# Altium PCB 智能马桶综合检测台_数据板V1.0.PcbDoc (part 7 of 8)
Units mil, origin at the board's own origin, x right, y up, seen from the top; angles counter-clockwise.
Board outline 5580 x 4007.36 mil, 2 copper layers (Top Layer, Bottom Layer); 109 components, 92 nets, 426 pads, 50 vias.
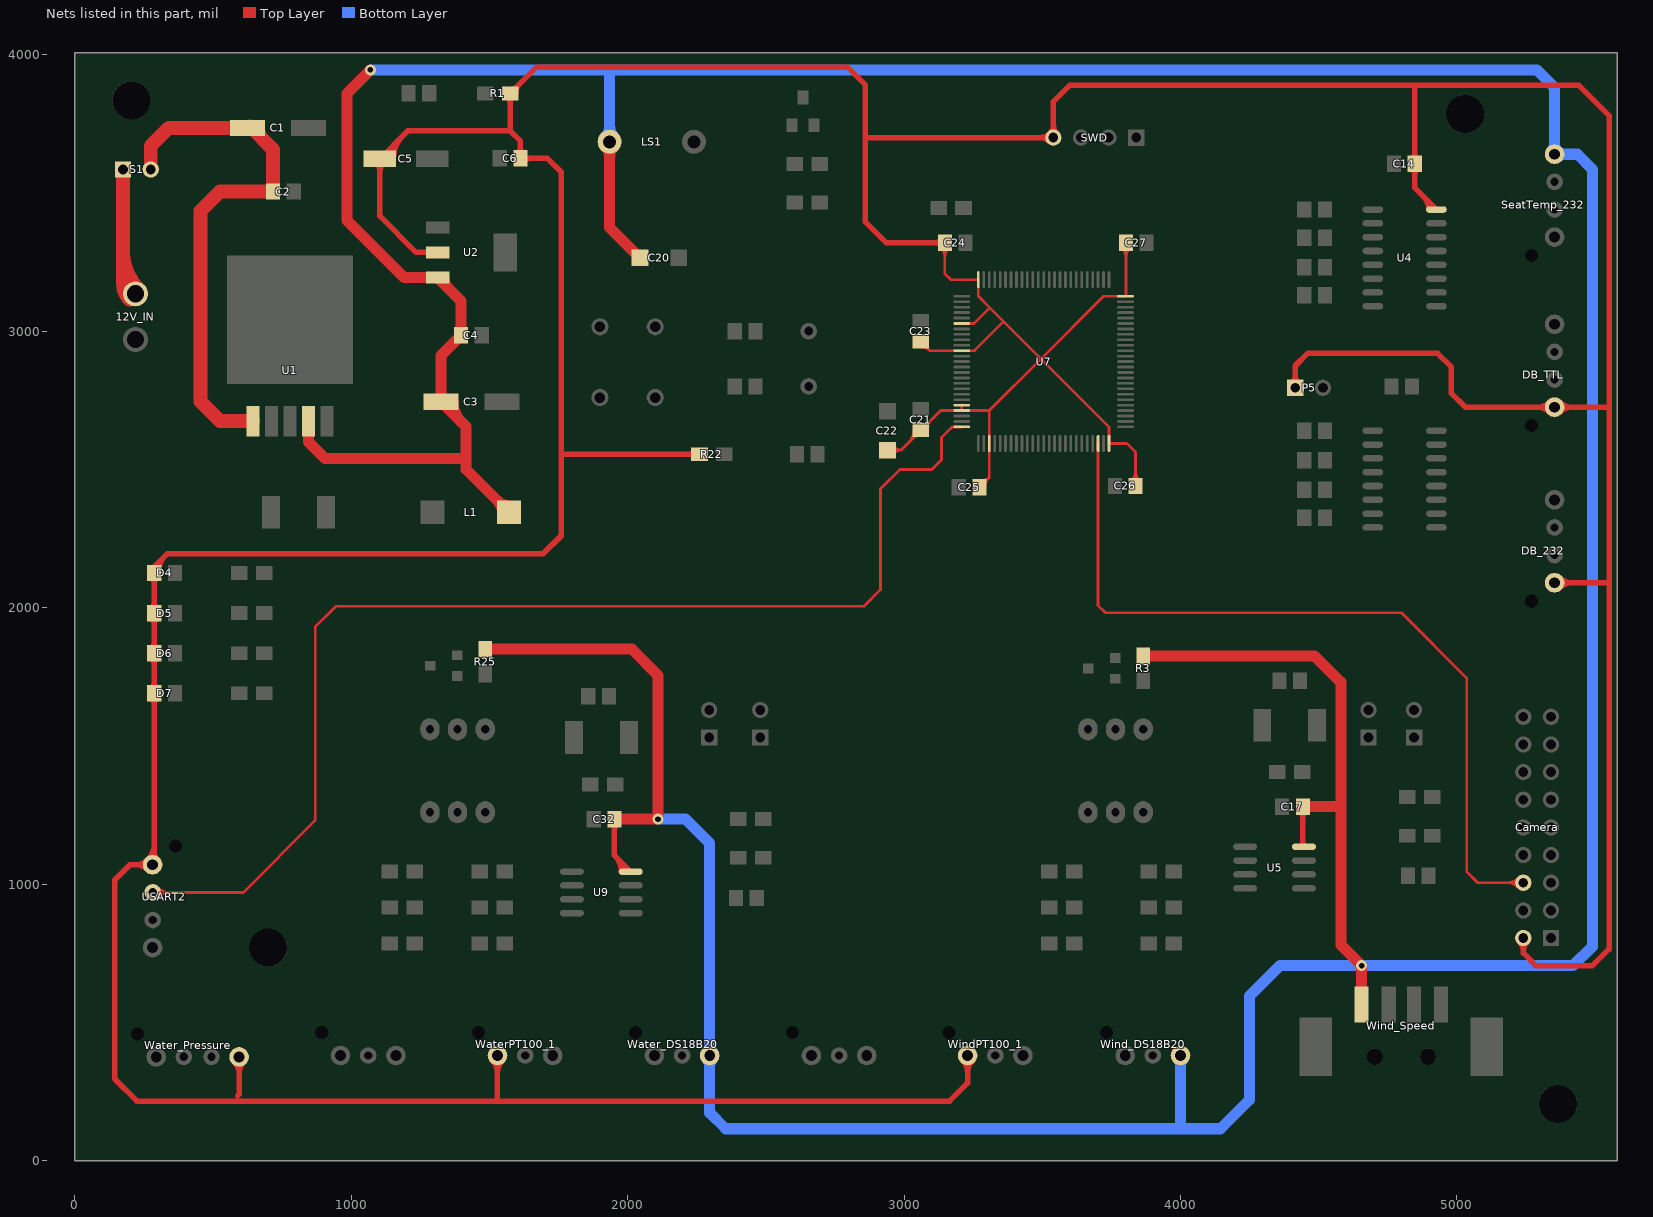
[diagram p7: the nets of this part, all layers, seen from the top]

## Via types
v1: diameter 30, hole 15, Top Layer to Bottom Layer, 31 vias
v2: diameter 40, hole 20, Top Layer to Bottom Layer, 19 vias

## Nets (pads, with @x,y where several pads share a name; then routed paths per layer and width w, separated by ;. In a path a pad name is that pad's centre, name@x,y a point inside that pad or via, vN(x,y) a via of type N, cw(c..) or ccw(c..) an arc to the next point about the centre after c; other vN are vias at no path point) (continued)
TXD2: U7.25 USART2.2 | length 5403.1
  Top Layer w10: USART2.2@282,970 610,970 870,1230 870,1930 945,2005 2855,2005 2915,2065 2915,2430 2985,2500 3100,2500 3135,2535 3135,2615 3173.78,2653.78 U7.25@3208.74,2653.78 ; USART2.2@292.61,959.39 cw(c318.21,933.79) 318.21,970 ; USART2.2@292.61,959.39 cw(c318.21,933.79) 318.21,970 ; USART2.2@292.61,959.39 cw(c318.21,933.79) 318.21,970 ; USART2.2@292.61,959.39 cw(c318.21,933.79) 318.21,970 ; USART2.2@292.61,959.39 cw(c318.21,933.79) 318.21,970 ; USART2.2@292.61,959.39 cw(c318.21,933.79) 318.21,970 ; USART2.2@292.61,980.61 ccw(c318.21,1006.21) 318.21,970 ; USART2.2@292.61,980.61 ccw(c318.21,1006.21) 318.21,970 ; USART2.2@292.61,980.61 ccw(c318.21,1006.21) 318.21,970 ; USART2.2@292.61,980.61 ccw(c318.21,1006.21) 318.21,970 ; USART2.2@292.61,980.61 ccw(c318.21,1006.21) 318.21,970 ; USART2.2@292.61,980.61 ccw(c318.21,1006.21) 318.21,970 ; USART2.2@299.68,952.32 cw(c342.36,909.64) 342.36,970 ; USART2.2@299.68,952.32 cw(c342.36,909.64) 342.36,970 ; USART2.2@299.68,952.32 cw(c342.36,909.64) 342.36,970 ; USART2.2@299.68,952.32 cw(c342.36,909.64) 342.36,970 ; USART2.2@299.68,952.32 cw(c342.36,909.64) 342.36,970 ; USART2.2@299.68,952.32 cw(c342.36,909.64) 342.36,970 ; USART2.2@299.68,987.68 ccw(c342.36,1030.36) 342.36,970 ; USART2.2@299.68,987.68 ccw(c342.36,1030.36) 342.36,970 ; USART2.2@299.68,987.68 ccw(c342.36,1030.36) 342.36,970 ; USART2.2@299.68,987.68 ccw(c342.36,1030.36) 342.36,970 ; USART2.2@299.68,987.68 ccw(c342.36,1030.36) 342.36,970 ; USART2.2@299.68,987.68 ccw(c342.36,1030.36) 342.36,970 ; 3167.29,2647.29 cw(c3183.15,2631.43) U7.25@3183.15,2653.86 ; 3167.29,2647.29 cw(c3183.15,2631.43) U7.25@3183.15,2653.86 ; 3167.29,2647.29 cw(c3183.15,2631.43) U7.25@3183.15,2653.86 ; 3167.29,2647.29 cw(c3183.15,2631.43) U7.25@3183.15,2653.86 ; 3167.29,2647.29 cw(c3183.15,2631.43) U7.25@3183.15,2653.86 ; 3167.29,2647.29 cw(c3183.15,2631.43) U7.25@3183.15,2653.86 ; 3169.1,2649.1 cw(c3180.95,2637.24) U7.25@3183.16,2653.86 ; 3169.1,2649.1 cw(c3180.95,2637.24) U7.25@3183.16,2653.86 ; 3169.1,2649.1 cw(c3180.95,2637.24) U7.25@3183.16,2653.86 ; 3169.1,2649.1 cw(c3180.95,2637.24) U7.25@3183.16,2653.86 ; 3169.1,2649.1 cw(c3180.95,2637.24) U7.25@3183.16,2653.86 ; 3169.1,2649.1 cw(c3180.95,2637.24) U7.25@3183.16,2653.86
USYNC: Camera.6 U7.48 | length 3838.6
  Top Layer w10: U7.48@3701.85,2593.74 3701.85,2008.15 3728.52,1981.48 4799.59,1981.48 5035,1746.07 5035,1045 5075,1005 Camera.6@5240,1005 ; 5180.79,1005 cw(c5180.79,945.79) Camera.6@5222.66,987.66 ; 5180.79,1005 ccw(c5180.79,1064.21) Camera.6@5222.66,1022.34 ; 5180.79,1005 ccw(c5180.79,1064.21) Camera.6@5222.66,1022.34 ; 5180.79,1005 cw(c5180.79,945.79) Camera.6@5222.66,987.66 ; 5180.79,1005 ccw(c5180.79,1064.21) Camera.6@5222.66,1022.34 ; 5180.79,1005 cw(c5180.79,945.79) Camera.6@5222.66,987.66 ; 5180.79,1005 ccw(c5180.79,1064.21) Camera.6@5222.66,1022.34 ; 5180.79,1005 cw(c5180.79,945.79) Camera.6@5222.66,987.66 ; 5180.79,1005 ccw(c5180.79,1064.21) Camera.6@5222.66,1022.34 ; 5180.79,1005 cw(c5180.79,945.79) Camera.6@5222.66,987.66 ; 5180.79,1005 ccw(c5180.79,1064.21) Camera.6@5222.66,1022.34 ; 5180.79,1005 cw(c5180.79,945.79) Camera.6@5222.66,987.66 ; 5204.93,1005 cw(c5204.93,969.93) Camera.6@5229.73,994.73 ; 5204.93,1005 ccw(c5204.93,1040.07) Camera.6@5229.73,1015.27 ; 5204.93,1005 ccw(c5204.93,1040.07) Camera.6@5229.73,1015.27 ; 5204.93,1005 cw(c5204.93,969.93) Camera.6@5229.73,994.73 ; 5204.93,1005 ccw(c5204.93,1040.07) Camera.6@5229.73,1015.27 ; 5204.93,1005 cw(c5204.93,969.93) Camera.6@5229.73,994.73 ; 5204.93,1005 ccw(c5204.93,1040.07) Camera.6@5229.73,1015.27 ; 5204.93,1005 cw(c5204.93,969.93) Camera.6@5229.73,994.73 ; 5204.93,1005 ccw(c5204.93,1040.07) Camera.6@5229.73,1015.27 ; 5204.93,1005 cw(c5204.93,969.93) Camera.6@5229.73,994.73 ; 5204.93,1005 ccw(c5204.93,1040.07) Camera.6@5229.73,1015.27 ; 5204.93,1005 cw(c5204.93,969.93) Camera.6@5229.73,994.73
VCC3V3: C5.1 C6.2 C14.2 C21.2 C22.1 C23.1 C24.1 C25.1 C26.1 C27.1 Camera.2 D4.1 D5.1 D6.1 D7.1 DB_232.1 DB_TTL.1 P5.1 R1.2 R22.2 SWD.4 U2.2 U4.16 U7.6 U7.11 U7.21 U7.22 U7.28 U7.50 U7.75 U7.100 USART2.1 Water_Pressure.4 WaterPT100_1.1 WindPT100_1.1 | length 41907.5
  Top Layer w10: C22.1@2940,2570 2990,2570 ; C23.1@3060,2962.6 3093.23,2929.37 3254.37,2929.37 3359.73,3034.73 ; C24.1@3147.6,3320 3147.6,3207.4 3168.74,3186.26 U7.100@3268.78,3186.26 3268.78,3126.22 3311.13,3083.87 ; U7.22@3208.74,2712.83 U7.21@3208.74,2732.52 ; U7.6@3208.74,3027.8 3252.8,3027.8 3308.87,3083.87 3311.13,3083.87 ; C25.1@3272.4,2435 3308.15,2470.75 ; 3487.09,2907.91 3495.16,2899.84 ; U7.75@3801.26,3126.22 3721.54,3126.22 3495.16,2899.84 ; C26.1@3837.4,2440 3837.4,2562.6 3806.26,2593.74 U7.50@3741.22,2593.74 3741.22,2653.78 3495.16,2899.84 ; C22.1@2960,2555 cw(c2990,2532.5) 2990,2570 ; C22.1@2960,2555 cw(c2990,2532.5) 2990,2570 ; C22.1@2960,2555 cw(c2990,2532.5) 2990,2570 ; C22.1@2960,2555 cw(c2990,2532.5) 2990,2570 ; C22.1@2960,2555 cw(c2990,2532.5) 2990,2570 ; C22.1@2960,2555 cw(c2990,2532.5) 2990,2570 ; C22.1@2960,2585 ccw(c2990,2607.5) 2990,2570 ; C22.1@2960,2585 ccw(c2990,2607.5) 2990,2570 ; C22.1@2960,2585 ccw(c2990,2607.5) 2990,2570 ; C22.1@2960,2585 ccw(c2990,2607.5) 2990,2570 ; C22.1@2960,2585 ccw(c2990,2607.5) 2990,2570 ; C22.1@2960,2585 ccw(c2990,2607.5) 2990,2570 ; 2990,2570 3132.83,2712.83 3308.15,2712.83 ; 3016.29,2596.29 ccw(c2969.98,2642.6) C21.2@3035.47,2642.6 ; 3016.29,2596.29 ccw(c2969.98,2642.6) C21.2@3035.47,2642.6 ; 3016.29,2596.29 ccw(c2969.98,2642.6) C21.2@3035.47,2642.6 ; 3016.29,2596.29 ccw(c2969.98,2642.6) C21.2@3035.47,2642.6 ; 3016.29,2596.29 ccw(c2969.98,2642.6) C21.2@3035.47,2642.6 ; 3016.29,2596.29 ccw(c2969.98,2642.6) C21.2@3035.47,2642.6 ; 3032.07,2612.07 cw(c3056.06,2588.08) C21.2@3056.06,2622.01 ; 3032.07,2612.07 cw(c3056.06,2588.08) C21.2@3056.06,2622.01 ; 3032.07,2612.07 cw(c3056.06,2588.08) C21.2@3056.06,2622.01 ; 3032.07,2612.07 cw(c3056.06,2588.08) C21.2@3056.06,2622.01 ; 3032.07,2612.07 cw(c3056.06,2588.08) C21.2@3056.06,2622.01 ; 3032.07,2612.07 cw(c3056.06,2588.08) C21.2@3056.06,2622.01 ; 3033.36,2613.36 ccw(c3004.13,2642.6) C21.2@3045.47,2642.6 ; 3033.36,2613.36 ccw(c3004.13,2642.6) C21.2@3045.47,2642.6 ; 3033.36,2613.36 ccw(c3004.13,2642.6) C21.2@3045.47,2642.6 ; 3033.36,2613.36 ccw(c3004.13,2642.6) C21.2@3045.47,2642.6 ; 3033.36,2613.36 ccw(c3004.13,2642.6) C21.2@3045.47,2642.6 ; 3033.36,2613.36 ccw(c3004.13,2642.6) C21.2@3045.47,2642.6 ; C21.2@3063.94,2663.19 ccw(c3063.94,2709.67) 3096.8,2676.8 ; C21.2@3063.94,2663.19 ccw(c3063.94,2709.67) 3096.8,2676.8 ; C21.2@3063.94,2663.19 ccw(c3063.94,2709.67) 3096.8,2676.8 ; C21.2@3063.94,2663.19 ccw(c3063.94,2709.67) 3096.8,2676.8 ; C21.2@3063.94,2663.19 ccw(c3063.94,2709.67) 3096.8,2676.8 ; C21.2@3063.94,2663.19 ccw(c3063.94,2709.67) 3096.8,2676.8 ; C23.1@3064.48,2942.02 cw(c3065.46,2905.54) 3091.26,2931.34 ; C23.1@3064.48,2942.02 cw(c3065.46,2905.54) 3091.26,2931.34 ; C23.1@3064.48,2942.02 cw(c3065.46,2905.54) 3091.26,2931.34 ; C23.1@3064.48,2942.02 cw(c3065.46,2905.54) 3091.26,2931.34 ; C23.1@3064.48,2942.02 cw(c3065.46,2905.54) 3091.26,2931.34 ; C23.1@3064.48,2942.02 cw(c3065.46,2905.54) 3091.26,2931.34 ; C21.2@3074.53,2642.6 cw(c3103.33,2642.6) C21.2@3082.96,2662.96 ; C21.2@3074.53,2642.6 cw(c3103.33,2642.6) C21.2@3082.96,2662.96 ; C21.2@3074.53,2642.6 cw(c3103.33,2642.6) C21.2@3082.96,2662.96 ; C21.2@3074.53,2642.6 cw(c3103.33,2642.6) C21.2@3082.96,2662.96 ; C21.2@3074.53,2642.6 cw(c3103.33,2642.6) C21.2@3082.96,2662.96 ; C21.2@3074.53,2642.6 cw(c3103.33,2642.6) C21.2@3082.96,2662.96 ; C23.1@3083.93,2957.66 ccw(c3110.92,2951) 3091.26,2931.34 ; C23.1@3083.93,2957.66 ccw(c3110.92,2951) 3091.26,2931.34 ; C23.1@3083.93,2957.66 ccw(c3110.92,2951) 3091.26,2931.34 ; C23.1@3083.93,2957.66 ccw(c3110.92,2951) 3091.26,2931.34 ; C23.1@3083.93,2957.66 ccw(c3110.92,2951) 3091.26,2931.34 ; C23.1@3083.93,2957.66 ccw(c3110.92,2951) 3091.26,2931.34 ; C21.2@3084.53,2642.6 cw(c3137.47,2642.6) 3100.03,2680.03 ; C21.2@3084.53,2642.6 cw(c3137.47,2642.6) 3100.03,2680.03 ; C21.2@3084.53,2642.6 cw(c3137.47,2642.6) 3100.03,2680.03 ; C21.2@3084.53,2642.6 cw(c3137.47,2642.6) 3100.03,2680.03 ; C21.2@3084.53,2642.6 cw(c3137.47,2642.6) 3100.03,2680.03 ; C21.2@3084.53,2642.6 cw(c3137.47,2642.6) 3100.03,2680.03 ; C24.1@3133.04,3301.5 cw(c3097.89,3266.35) 3147.6,3266.35 ; C24.1@3133.04,3301.5 cw(c3097.89,3266.35) 3147.6,3266.35 ; C24.1@3133.04,3301.5 cw(c3097.89,3266.35) 3147.6,3266.35 ; C24.1@3133.04,3301.5 cw(c3097.89,3266.35) 3147.6,3266.35 ; C24.1@3133.04,3301.5 cw(c3097.89,3266.35) 3147.6,3266.35 ; C24.1@3133.04,3301.5 cw(c3097.89,3266.35) 3147.6,3266.35 ; 3147.6,3266.35 cw(c3197.31,3266.35) C24.1@3162.16,3301.5 ; 3147.6,3266.35 cw(c3197.31,3266.35) C24.1@3162.16,3301.5 ; 3147.6,3266.35 cw(c3197.31,3266.35) C24.1@3162.16,3301.5 ; 3147.6,3266.35 cw(c3197.31,3266.35) C24.1@3162.16,3301.5 ; 3147.6,3266.35 cw(c3197.31,3266.35) C24.1@3162.16,3301.5 ; 3147.6,3266.35 cw(c3197.31,3266.35) C24.1@3162.16,3301.5 ; C25.1@3273.72,2449.45 ccw(c3276.71,2473.28) C25.1@3293.7,2456.3 ; C25.1@3273.72,2449.45 ccw(c3276.71,2473.28) C25.1@3293.7,2456.3 ; C25.1@3273.72,2449.45 ccw(c3276.71,2473.28) C25.1@3293.7,2456.3 ; C25.1@3273.72,2449.45 ccw(c3276.71,2473.28) C25.1@3293.7,2456.3 ; C25.1@3273.72,2449.45 ccw(c3276.71,2473.28) C25.1@3293.7,2456.3 ; C25.1@3273.72,2449.45 ccw(c3276.71,2473.28) C25.1@3293.7,2456.3 ; C25.1@3274.96,2459.37 ccw(c3279.93,2498.97) 3308.15,2470.75 ; C25.1@3274.96,2459.37 ccw(c3279.93,2498.97) 3308.15,2470.75 ; C25.1@3274.96,2459.37 ccw(c3279.93,2498.97) 3308.15,2470.75 ; C25.1@3274.96,2459.37 ccw(c3279.93,2498.97) 3308.15,2470.75 ; C25.1@3274.96,2459.37 ccw(c3279.93,2498.97) 3308.15,2470.75 ; C25.1@3274.96,2459.37 ccw(c3279.93,2498.97) 3308.15,2470.75 ; C25.1@3292.99,2438.94 cw(c3333.2,2438.94) 3304.77,2467.37 ; C25.1@3292.99,2438.94 cw(c3333.2,2438.94) 3304.77,2467.37 ; C25.1@3292.99,2438.94 cw(c3333.2,2438.94) 3304.77,2467.37 ; C25.1@3292.99,2438.94 cw(c3333.2,2438.94) 3304.77,2467.37 ; C25.1@3292.99,2438.94 cw(c3333.2,2438.94) 3304.77,2467.37 ; C25.1@3292.99,2438.94 cw(c3333.2,2438.94) 3304.77,2467.37 ; 3308.15,2470.75 3308.15,2712.83 ; 3308.15,2712.83 3495.16,2899.84 ; 3311.13,3083.87 3495.16,2899.84 ; C26.1@3822.84,2458.5 ccw(c3787.69,2493.65) 3837.4,2493.65 ; C26.1@3822.84,2458.5 ccw(c3787.69,2493.65) 3837.4,2493.65 ; C26.1@3822.84,2458.5 ccw(c3787.69,2493.65) 3837.4,2493.65 ; C26.1@3822.84,2458.5 ccw(c3787.69,2493.65) 3837.4,2493.65 ; C26.1@3822.84,2458.5 ccw(c3787.69,2493.65) 3837.4,2493.65 ; C26.1@3822.84,2458.5 ccw(c3787.69,2493.65) 3837.4,2493.65 ; 3837.4,2493.65 ccw(c3887.11,2493.65) C26.1@3851.96,2458.5 ; 3837.4,2493.65 ccw(c3887.11,2493.65) C26.1@3851.96,2458.5 ; 3837.4,2493.65 ccw(c3887.11,2493.65) C26.1@3851.96,2458.5 ; 3837.4,2493.65 ccw(c3887.11,2493.65) C26.1@3851.96,2458.5 ; 3837.4,2493.65 ccw(c3887.11,2493.65) C26.1@3851.96,2458.5 ; 3837.4,2493.65 ccw(c3887.11,2493.65) C26.1@3851.96,2458.5
  Top Layer w12: U7.75@3802.6,3127.56 C27.1@3802.6,3320 ; C27.1@3788.75,3302.21 cw(c3755.3,3268.77) 3802.6,3268.77 ; C27.1@3788.75,3302.21 cw(c3755.3,3268.77) 3802.6,3268.77 ; C27.1@3788.75,3302.21 cw(c3755.3,3268.77) 3802.6,3268.77 ; C27.1@3788.75,3302.21 cw(c3755.3,3268.77) 3802.6,3268.77 ; C27.1@3788.75,3302.21 cw(c3755.3,3268.77) 3802.6,3268.77 ; C27.1@3788.75,3302.21 cw(c3755.3,3268.77) 3802.6,3268.77 ; 3802.6,3268.77 cw(c3849.89,3268.77) C27.1@3816.45,3302.21 ; 3802.6,3268.77 cw(c3849.89,3268.77) C27.1@3816.45,3302.21 ; 3802.6,3268.77 cw(c3849.89,3268.77) C27.1@3816.45,3302.21 ; 3802.6,3268.77 cw(c3849.89,3268.77) C27.1@3816.45,3302.21 ; 3802.6,3268.77 cw(c3849.89,3268.77) C27.1@3816.45,3302.21 ; 3802.6,3268.77 cw(c3849.89,3268.77) C27.1@3816.45,3302.21
  Top Layer w20: USART2.1@282,1070 200,1070 145,1015 145,295 225,215 3165,215 3230,280 WindPT100_1.1@3230,380 ; USART2.1@287.6,1075.6 287.6,2147.6 335,2195 1695,2195 1760,2260 1760,3575 1710,3625 C6.2@1612.4,3625 1612.4,3687.6 1575,3725 ; 590,235 595,240 Water_Pressure.4@595,375 ; U2.2@1312.95,3285 1235,3285 1103.94,3416.06 C5.1@1103.94,3623.43 1205.51,3725 1575,3725 ; 1529.33,215 WaterPT100_1.1@1529.33,380 ; 1760,2555 R22.2@2260,2555 ; 2860,3700 SWD.4@3540,3700 3540,3830 3600,3890 5440,3890 5550,3780 5550,765 5490,705 5285,705 5240,750 Camera.2@5240,805 ; C24.1@3147.6,3320 2935,3320 2860,3395 2860,3890 2795,3955 1670,3955 R1.2@1575,3860 1575,3725 ; P5.1@4415,2795 4415,2875 4460,2920 4930,2920 4980,2870 4980,2775 5030,2725 5550,2725 ; 4847.4,3890 4847.4,3518.23 U4.16@4925.63,3440 ; DB_232.1@5353,2090 5550,2090 ; 220.6,1070 cw(c220.6,1008.6) USART2.1@264.02,1052.02 ; 220.6,1070 ccw(c220.6,1131.4) USART2.1@264.02,1087.98 ; 220.6,1070 ccw(c220.6,1131.4) USART2.1@264.02,1087.98 ; 220.6,1070 cw(c220.6,1008.6) USART2.1@264.02,1052.02 ; 220.6,1070 ccw(c220.6,1131.4) USART2.1@264.02,1087.98 ; 220.6,1070 cw(c220.6,1008.6) USART2.1@264.02,1052.02 ; 220.6,1070 ccw(c220.6,1131.4) USART2.1@264.02,1087.98 ; 220.6,1070 cw(c220.6,1008.6) USART2.1@264.02,1052.02 ; 220.6,1070 ccw(c220.6,1131.4) USART2.1@264.02,1087.98 ; 220.6,1070 cw(c220.6,1008.6) USART2.1@264.02,1052.02 ; 220.6,1070 ccw(c220.6,1131.4) USART2.1@264.02,1087.98 ; 220.6,1070 cw(c220.6,1008.6) USART2.1@264.02,1052.02 ; USART2.1@264.02,1087.98 ccw(c207.08,1144.92) 287.6,1144.92 ; USART2.1@264.02,1087.98 ccw(c207.08,1144.92) 287.6,1144.92 ; USART2.1@264.02,1087.98 ccw(c207.08,1144.92) 287.6,1144.92 ; USART2.1@264.02,1087.98 ccw(c207.08,1144.92) 287.6,1144.92 ; USART2.1@264.02,1087.98 ccw(c207.08,1144.92) 287.6,1144.92 ; USART2.1@264.02,1087.98 ccw(c207.08,1144.92) 287.6,1144.92 ; D7.1@276.57,1675.04 cw(c249.96,1648.42) 287.6,1648.42 ; D7.1@276.57,1675.04 cw(c249.96,1648.42) 287.6,1648.42 ; D7.1@276.57,1675.04 cw(c249.96,1648.42) 287.6,1648.42 ; D7.1@276.57,1675.04 cw(c249.96,1648.42) 287.6,1648.42 ; D7.1@276.57,1675.04 cw(c249.96,1648.42) 287.6,1648.42 ; D7.1@276.57,1675.04 cw(c249.96,1648.42) 287.6,1648.42 ; D7.1@276.57,1704.96 ccw(c249.96,1731.58) 287.6,1731.58 ; D7.1@276.57,1704.96 ccw(c249.96,1731.58) 287.6,1731.58 ; D7.1@276.57,1704.96 ccw(c249.96,1731.58) 287.6,1731.58 ; D7.1@276.57,1704.96 ccw(c249.96,1731.58) 287.6,1731.58 ; D7.1@276.57,1704.96 ccw(c249.96,1731.58) 287.6,1731.58 ; D7.1@276.57,1704.96 ccw(c249.96,1731.58) 287.6,1731.58 ; D6.1@276.57,1820.04 cw(c249.96,1793.42) 287.6,1793.42 ; D6.1@276.57,1820.04 cw(c249.96,1793.42) 287.6,1793.42 ; D6.1@276.57,1820.04 cw(c249.96,1793.42) 287.6,1793.42 ; D6.1@276.57,1820.04 cw(c249.96,1793.42) 287.6,1793.42 ; D6.1@276.57,1820.04 cw(c249.96,1793.42) 287.6,1793.42 ; D6.1@276.57,1820.04 cw(c249.96,1793.42) 287.6,1793.42 ; D6.1@276.57,1849.96 ccw(c249.96,1876.58) 287.6,1876.58 ; D6.1@276.57,1849.96 ccw(c249.96,1876.58) 287.6,1876.58 ; D6.1@276.57,1849.96 ccw(c249.96,1876.58) 287.6,1876.58 ; D6.1@276.57,1849.96 ccw(c249.96,1876.58) 287.6,1876.58 ; D6.1@276.57,1849.96 ccw(c249.96,1876.58) 287.6,1876.58 ; D6.1@276.57,1849.96 ccw(c249.96,1876.58) 287.6,1876.58 ; D5.1@276.57,1964.57 cw(c249.96,1937.95) 287.6,1937.95 ; D5.1@276.57,1964.57 cw(c249.96,1937.95) 287.6,1937.95 ; D5.1@276.57,1964.57 cw(c249.96,1937.95) 287.6,1937.95 ; D5.1@276.57,1964.57 cw(c249.96,1937.95) 287.6,1937.95 ; D5.1@276.57,1964.57 cw(c249.96,1937.95) 287.6,1937.95 ; D5.1@276.57,1964.57 cw(c249.96,1937.95) 287.6,1937.95 ; D5.1@276.57,1994.49 ccw(c249.96,2021.1) 287.6,2021.1 ; D5.1@276.57,1994.49 ccw(c249.96,2021.1) 287.6,2021.1 ; D5.1@276.57,1994.49 ccw(c249.96,2021.1) 287.6,2021.1 ; D5.1@276.57,1994.49 ccw(c249.96,2021.1) 287.6,2021.1 ; D5.1@276.57,1994.49 ccw(c249.96,2021.1) 287.6,2021.1 ; D5.1@276.57,1994.49 ccw(c249.96,2021.1) 287.6,2021.1 ; D4.1@276.57,2110.51 cw(c249.96,2083.9) 287.6,2083.9 ; D4.1@276.57,2110.51 cw(c249.96,2083.9) 287.6,2083.9 ; D4.1@276.57,2110.51 cw(c249.96,2083.9) 287.6,2083.9 ; D4.1@276.57,2110.51 cw(c249.96,2083.9) 287.6,2083.9 ; D4.1@276.57,2110.51 cw(c249.96,2083.9) 287.6,2083.9 ; D4.1@276.57,2110.51 cw(c249.96,2083.9) 287.6,2083.9 ; 287.6,1117.89 ccw(c329.89,1117.89) USART2.1@299.98,1087.98 ; 287.6,1117.89 ccw(c329.89,1117.89) USART2.1@299.98,1087.98 ; 287.6,1117.89 ccw(c329.89,1117.89) USART2.1@299.98,1087.98 ; 287.6,1117.89 ccw(c329.89,1117.89) USART2.1@299.98,1087.98 ; 287.6,1117.89 ccw(c329.89,1117.89) USART2.1@299.98,1087.98 ; 287.6,1117.89 ccw(c329.89,1117.89) USART2.1@299.98,1087.98 ; 287.6,1648.42 cw(c325.24,1648.42) D7.1@298.62,1675.04 ; 287.6,1648.42 cw(c325.24,1648.42) D7.1@298.62,1675.04 ; 287.6,1648.42 cw(c325.24,1648.42) D7.1@298.62,1675.04 ; 287.6,1648.42 cw(c325.24,1648.42) D7.1@298.62,1675.04 ; 287.6,1648.42 cw(c325.24,1648.42) D7.1@298.62,1675.04 ; 287.6,1648.42 cw(c325.24,1648.42) D7.1@298.62,1675.04 ; 287.6,1731.58 ccw(c325.24,1731.58) D7.1@298.62,1704.96 ; 287.6,1731.58 ccw(c325.24,1731.58) D7.1@298.62,1704.96 ; 287.6,1731.58 ccw(c325.24,1731.58) D7.1@298.62,1704.96 ; 287.6,1731.58 ccw(c325.24,1731.58) D7.1@298.62,1704.96 ; 287.6,1731.58 ccw(c325.24,1731.58) D7.1@298.62,1704.96 ; 287.6,1731.58 ccw(c325.24,1731.58) D7.1@298.62,1704.96 ; 287.6,1793.42 cw(c325.24,1793.42) D6.1@298.62,1820.04 ; 287.6,1793.42 cw(c325.24,1793.42) D6.1@298.62,1820.04 ; 287.6,1793.42 cw(c325.24,1793.42) D6.1@298.62,1820.04 ; 287.6,1793.42 cw(c325.24,1793.42) D6.1@298.62,1820.04 ; 287.6,1793.42 cw(c325.24,1793.42) D6.1@298.62,1820.04 ; 287.6,1793.42 cw(c325.24,1793.42) D6.1@298.62,1820.04 ; 287.6,1876.58 ccw(c325.24,1876.58) D6.1@298.62,1849.96 ; 287.6,1876.58 ccw(c325.24,1876.58) D6.1@298.62,1849.96 ; 287.6,1876.58 ccw(c325.24,1876.58) D6.1@298.62,1849.96 ; 287.6,1876.58 ccw(c325.24,1876.58) D6.1@298.62,1849.96 ; 287.6,1876.58 ccw(c325.24,1876.58) D6.1@298.62,1849.96 ; 287.6,1876.58 ccw(c325.24,1876.58) D6.1@298.62,1849.96 ; 287.6,1937.95 cw(c325.24,1937.95) D5.1@298.62,1964.57 ; 287.6,1937.95 cw(c325.24,1937.95) D5.1@298.62,1964.57 ; 287.6,1937.95 cw(c325.24,1937.95) D5.1@298.62,1964.57 ; 287.6,1937.95 cw(c325.24,1937.95) D5.1@298.62,1964.57 ; 287.6,1937.95 cw(c325.24,1937.95) D5.1@298.62,1964.57 ; 287.6,1937.95 cw(c325.24,1937.95) D5.1@298.62,1964.57 ; 287.6,2021.1 ccw(c325.24,2021.1) D5.1@298.62,1994.49 ; 287.6,2021.1 ccw(c325.24,2021.1) D5.1@298.62,1994.49 ; 287.6,2021.1 ccw(c325.24,2021.1) D5.1@298.62,1994.49 ; 287.6,2021.1 ccw(c325.24,2021.1) D5.1@298.62,1994.49 ; 287.6,2021.1 ccw(c325.24,2021.1) D5.1@298.62,1994.49 ; 287.6,2021.1 ccw(c325.24,2021.1) D5.1@298.62,1994.49 ; 287.6,2083.9 cw(c325.24,2083.9) D4.1@298.62,2110.51 ; 287.6,2083.9 cw(c325.24,2083.9) D4.1@298.62,2110.51 ; 287.6,2083.9 cw(c325.24,2083.9) D4.1@298.62,2110.51 ; 287.6,2083.9 cw(c325.24,2083.9) D4.1@298.62,2110.51 ; 287.6,2083.9 cw(c325.24,2083.9) D4.1@298.62,2110.51 ; 287.6,2083.9 cw(c325.24,2083.9) D4.1@298.62,2110.51 ; D4.1@303.08,2131.24 cw(c361.82,2138.17) 320,2180 ; D4.1@303.08,2131.24 cw(c361.82,2138.17) 320,2180 ; D4.1@303.08,2131.24 cw(c361.82,2138.17) 320,2180 ; D4.1@303.08,2131.24 cw(c361.82,2138.17) 320,2180 ; Water_Pressure.4@577.02,357.02 cw(c533.6,313.6) 595,313.6 ; Water_Pressure.4@577.02,357.02 cw(c533.6,313.6) 595,313.6 ; Water_Pressure.4@577.02,357.02 cw(c533.6,313.6) 595,313.6 ; Water_Pressure.4@577.02,357.02 cw(c533.6,313.6) 595,313.6 ; Water_Pressure.4@577.02,357.02 cw(c533.6,313.6) 595,313.6 ; Water_Pressure.4@577.02,357.02 cw(c533.6,313.6) 595,313.6 ; 595,313.6 cw(c656.4,313.6) Water_Pressure.4@612.98,357.02 ; 595,313.6 cw(c656.4,313.6) Water_Pressure.4@612.98,357.02 ; 595,313.6 cw(c656.4,313.6) Water_Pressure.4@612.98,357.02 ; 595,313.6 cw(c656.4,313.6) Water_Pressure.4@612.98,357.02 ; 595,313.6 cw(c656.4,313.6) Water_Pressure.4@612.98,357.02 ; 595,313.6 cw(c656.4,313.6) Water_Pressure.4@612.98,357.02 ; C5.1@1090.13,3609.62 cw(c1056.79,3576.28) 1103.94,3576.28 ; C5.1@1090.13,3609.62 cw(c1056.79,3576.28) 1103.94,3576.28 ; C5.1@1090.13,3609.62 cw(c1056.79,3576.28) 1103.94,3576.28 ; C5.1@1090.13,3609.62 cw(c1056.79,3576.28) 1103.94,3576.28 ; C5.1@1090.13,3609.62 cw(c1056.79,3576.28) 1103.94,3576.28 ; C5.1@1090.13,3609.62 cw(c1056.79,3576.28) 1103.94,3576.28 ; 1103.94,3576.28 cw(c1151.08,3576.28) C5.1@1117.75,3609.62 ; 1103.94,3576.28 cw(c1151.08,3576.28) C5.1@1117.75,3609.62 ; 1103.94,3576.28 cw(c1151.08,3576.28) C5.1@1117.75,3609.62 ; 1103.94,3576.28 cw(c1151.08,3576.28) C5.1@1117.75,3609.62 ; 1103.94,3576.28 cw(c1151.08,3576.28) C5.1@1117.75,3609.62 ; 1103.94,3576.28 cw(c1151.08,3576.28) C5.1@1117.75,3609.62 ; C5.1@1132.99,3623.43 cw(c1203.14,3623.43) 1153.54,3673.03 ; C5.1@1132.99,3623.43 cw(c1203.14,3623.43) 1153.54,3673.03 ; C5.1@1132.99,3623.43 cw(c1203.14,3623.43) 1153.54,3673.03 ; C5.1@1132.99,3623.43 cw(c1203.14,3623.43) 1153.54,3673.03 ; C5.1@1132.99,3623.43 cw(c1203.14,3623.43) 1153.54,3673.03 ; C5.1@1132.99,3623.43 cw(c1203.14,3623.43) 1153.54,3673.03 ; C5.1@1152.99,3623.43 cw(c1271.42,3623.43) 1187.68,3707.17 ; C5.1@1152.99,3623.43 cw(c1271.42,3623.43) 1187.68,3707.17 ; C5.1@1152.99,3623.43 cw(c1271.42,3623.43) 1187.68,3707.17 ; C5.1@1152.99,3623.43 cw(c1271.42,3623.43) 1187.68,3707.17 ; C5.1@1152.99,3623.43 cw(c1271.42,3623.43) 1187.68,3707.17 ; C5.1@1152.99,3623.43 cw(c1271.42,3623.43) 1187.68,3707.17 ; 1264.15,3285 cw(c1264.15,3256.87) U2.2@1284.04,3276.76 ; 1264.15,3285 ccw(c1264.15,3313.13) U2.2@1284.04,3293.24 ; 1264.15,3285 ccw(c1264.15,3313.13) U2.2@1284.04,3293.24 ; 1264.15,3285 cw(c1264.15,3256.87) U2.2@1284.04,3276.76 ; 1264.15,3285 ccw(c1264.15,3313.13) U2.2@1284.04,3293.24 ; 1264.15,3285 cw(c1264.15,3256.87) U2.2@1284.04,3276.76 ; 1264.15,3285 ccw(c1264.15,3313.13) U2.2@1284.04,3293.24 ; 1264.15,3285 cw(c1264.15,3256.87) U2.2@1284.04,3276.76 ; 1264.15,3285 ccw(c1264.15,3313.13) U2.2@1284.04,3293.24 ; 1264.15,3285 cw(c1264.15,3256.87) U2.2@1284.04,3276.76 ; 1264.15,3285 ccw(c1264.15,3313.13) U2.2@1284.04,3293.24 ; 1264.15,3285 cw(c1264.15,3256.87) U2.2@1284.04,3276.76 ; WaterPT100_1.1@1511.35,362.02 cw(c1467.93,318.6) 1529.33,318.6 ; WaterPT100_1.1@1511.35,362.02 cw(c1467.93,318.6) 1529.33,318.6 ; WaterPT100_1.1@1511.35,362.02 cw(c1467.93,318.6) 1529.33,318.6 ; WaterPT100_1.1@1511.35,362.02 cw(c1467.93,318.6) 1529.33,318.6 ; WaterPT100_1.1@1511.35,362.02 cw(c1467.93,318.6) 1529.33,318.6 ; WaterPT100_1.1@1511.35,362.02 cw(c1467.93,318.6) 1529.33,318.6 ; 1529.33,318.6 cw(c1590.73,318.6) WaterPT100_1.1@1547.32,362.02 ; 1529.33,318.6 cw(c1590.73,318.6) WaterPT100_1.1@1547.32,362.02 ; 1529.33,318.6 cw(c1590.73,318.6) WaterPT100_1.1@1547.32,362.02 ; 1529.33,318.6 cw(c1590.73,318.6) WaterPT100_1.1@1547.32,362.02 ; 1529.33,318.6 cw(c1590.73,318.6) WaterPT100_1.1@1547.32,362.02 ; 1529.33,318.6 cw(c1590.73,318.6) WaterPT100_1.1@1547.32,362.02 ; R1.2@1564.39,3849.39 cw(c1538.79,3823.79) 1575,3823.79 ; R1.2@1564.39,3849.39 cw(c1538.79,3823.79) 1575,3823.79 ; R1.2@1564.39,3849.39 cw(c1538.79,3823.79) 1575,3823.79 ; R1.2@1564.39,3849.39 cw(c1538.79,3823.79) 1575,3823.79 ; R1.2@1564.39,3849.39 cw(c1538.79,3823.79) 1575,3823.79 ; R1.2@1564.39,3849.39 cw(c1538.79,3823.79) 1575,3823.79 ; 1575,3823.79 cw(c1611.21,3823.79) R1.2@1585.61,3849.39 ; 1575,3823.79 cw(c1611.21,3823.79) R1.2@1585.61,3849.39 ; 1575,3823.79 cw(c1611.21,3823.79) R1.2@1585.61,3849.39 ; 1575,3823.79 cw(c1611.21,3823.79) R1.2@1585.61,3849.39 ; 1575,3823.79 cw(c1611.21,3823.79) R1.2@1585.61,3849.39 ; 1575,3823.79 cw(c1611.21,3823.79) R1.2@1585.61,3849.39 ; R1.2@1580,3875 ccw(c1580,3899.14) R1.2@1597.07,3882.07 ; R1.2@1580,3875 ccw(c1580,3899.14) R1.2@1597.07,3882.07 ; R1.2@1580,3875 ccw(c1580,3899.14) R1.2@1597.07,3882.07 ; R1.2@1580,3875 ccw(c1580,3899.14) R1.2@1597.07,3882.07 ; R1.2@1580,3875 ccw(c1580,3899.14) R1.2@1597.07,3882.07 ; R1.2@1580,3875 ccw(c1580,3899.14) R1.2@1597.07,3882.07 ; R1.2@1595,3860 cw(c1643.28,3860) 1609.14,3894.14 ; R1.2@1595,3860 cw(c1643.28,3860) 1609.14,3894.14 ; R1.2@1595,3860 cw(c1643.28,3860) 1609.14,3894.14 ; R1.2@1595,3860 cw(c1643.28,3860) 1609.14,3894.14 ; R1.2@1595,3860 cw(c1643.28,3860) 1609.14,3894.14 ; R1.2@1595,3860 cw(c1643.28,3860) 1609.14,3894.14 ; C6.2@1601.38,3639.96 ccw(c1574.76,3666.58) 1612.4,3666.58 ; C6.2@1601.38,3639.96 ccw(c1574.76,3666.58) 1612.4,3666.58 ; C6.2@1601.38,3639.96 ccw(c1574.76,3666.58) 1612.4,3666.58 ; C6.2@1601.38,3639.96 ccw(c1574.76,3666.58) 1612.4,3666.58 ; C6.2@1601.38,3639.96 ccw(c1574.76,3666.58) 1612.4,3666.58 ; C6.2@1601.38,3639.96 ccw(c1574.76,3666.58) 1612.4,3666.58 ; 1612.4,3666.58 ccw(c1650.04,3666.58) C6.2@1623.43,3639.96 ; 1612.4,3666.58 ccw(c1650.04,3666.58) C6.2@1623.43,3639.96 ; 1612.4,3666.58 ccw(c1650.04,3666.58) C6.2@1623.43,3639.96 ; 1612.4,3666.58 ccw(c1650.04,3666.58) C6.2@1623.43,3639.96 ; 1612.4,3666.58 ccw(c1650.04,3666.58) C6.2@1623.43,3639.96 ; 1612.4,3666.58 ccw(c1650.04,3666.58) C6.2@1623.43,3639.96 ; C6.2@1623.43,3613.98 cw(c1650.04,3587.36) 1650.04,3625 ; C6.2@1623.43,3613.98 cw(c1650.04,3587.36) 1650.04,3625 ; C6.2@1623.43,3613.98 cw(c1650.04,3587.36) 1650.04,3625 ; C6.2@1623.43,3613.98 cw(c1650.04,3587.36) 1650.04,3625 ; C6.2@1623.43,3613.98 cw(c1650.04,3587.36) 1650.04,3625 ; C6.2@1623.43,3613.98 cw(c1650.04,3587.36) 1650.04,3625 ; C6.2@1623.43,3636.02 ccw(c1650.04,3662.64) 1650.04,3625 ; C6.2@1623.43,3636.02 ccw(c1650.04,3662.64) 1650.04,3625 ; C6.2@1623.43,3636.02 ccw(c1650.04,3662.64) 1650.04,3625 ; C6.2@1623.43,3636.02 ccw(c1650.04,3662.64) 1650.04,3625 ; C6.2@1623.43,3636.02 ccw(c1650.04,3662.64) 1650.04,3625 ; C6.2@1623.43,3636.02 ccw(c1650.04,3662.64) 1650.04,3625 ; 2218.79,2555 cw(c2218.79,2518.79) R22.2@2244.39,2544.39 ; 2218.79,2555 ccw(c2218.79,2591.21) R22.2@2244.39,2565.61 ; 2218.79,2555 ccw(c2218.79,2591.21) R22.2@2244.39,2565.61 ; 2218.79,2555 cw(c2218.79,2518.79) R22.2@2244.39,2544.39 ; 2218.79,2555 ccw(c2218.79,2591.21) R22.2@2244.39,2565.61 ; 2218.79,2555 cw(c2218.79,2518.79) R22.2@2244.39,2544.39 ; 2218.79,2555 ccw(c2218.79,2591.21) R22.2@2244.39,2565.61 ; 2218.79,2555 cw(c2218.79,2518.79) R22.2@2244.39,2544.39 ; 2218.79,2555 ccw(c2218.79,2591.21) R22.2@2244.39,2565.61 ; 2218.79,2555 cw(c2218.79,2518.79) R22.2@2244.39,2544.39 ; 2218.79,2555 ccw(c2218.79,2591.21) R22.2@2244.39,2565.61 ; 2218.79,2555 cw(c2218.79,2518.79) R22.2@2244.39,2544.39 ; 3109.96,3320 cw(c3109.96,3282.36) C24.1@3136.57,3308.98 ; 3109.96,3320 ccw(c3109.96,3357.64) C24.1@3136.57,3331.02 ; 3109.96,3320 ccw(c3109.96,3357.64) C24.1@3136.57,3331.02 ; 3109.96,3320 cw(c3109.96,3282.36) C24.1@3136.57,3308.98 ; 3109.96,3320 ccw(c3109.96,3357.64) C24.1@3136.57,3331.02 ; 3109.96,3320 cw(c3109.96,3282.36) C24.1@3136.57,3308.98 ; 3109.96,3320 ccw(c3109.96,3357.64) C24.1@3136.57,3331.02 ; 3109.96,3320 cw(c3109.96,3282.36) C24.1@3136.57,3308.98 ; 3109.96,3320 ccw(c3109.96,3357.64) C24.1@3136.57,3331.02 ; 3109.96,3320 cw(c3109.96,3282.36) C24.1@3136.57,3308.98 ; 3109.96,3320 ccw(c3109.96,3357.64) C24.1@3136.57,3331.02 ; 3109.96,3320 cw(c3109.96,3282.36) C24.1@3136.57,3308.98 ; WindPT100_1.1@3212.02,362.02 cw(c3168.6,318.6) 3230,318.6 ; WindPT100_1.1@3212.02,362.02 cw(c3168.6,318.6) 3230,318.6 ; WindPT100_1.1@3212.02,362.02 cw(c3168.6,318.6) 3230,318.6 ; WindPT100_1.1@3212.02,362.02 cw(c3168.6,318.6) 3230,318.6 ; 3230,318.6 cw(c3291.4,318.6) WindPT100_1.1@3247.98,362.02 ; 3230,318.6 cw(c3291.4,318.6) WindPT100_1.1@3247.98,362.02 ; 3230,318.6 cw(c3291.4,318.6) WindPT100_1.1@3247.98,362.02 ; 3230,318.6 cw(c3291.4,318.6) WindPT100_1.1@3247.98,362.02 ; 3492.86,3700 cw(c3492.86,3652.86) SWD.4@3526.19,3686.19 ; 3492.86,3700 ccw(c3492.86,3747.14) SWD.4@3526.19,3713.81 ; 3492.86,3700 ccw(c3492.86,3747.14) SWD.4@3526.19,3713.81 ; 3492.86,3700 cw(c3492.86,3652.86) SWD.4@3526.19,3686.19 ; 3492.86,3700 ccw(c3492.86,3747.14) SWD.4@3526.19,3713.81 ; 3492.86,3700 cw(c3492.86,3652.86) SWD.4@3526.19,3686.19 ; 3492.86,3700 ccw(c3492.86,3747.14) SWD.4@3526.19,3713.81 ; 3492.86,3700 cw(c3492.86,3652.86) SWD.4@3526.19,3686.19 ; 3492.86,3700 ccw(c3492.86,3747.14) SWD.4@3526.19,3713.81 ; 3492.86,3700 cw(c3492.86,3652.86) SWD.4@3526.19,3686.19 ; 3492.86,3700 ccw(c3492.86,3747.14) SWD.4@3526.19,3713.81 ; 3492.86,3700 cw(c3492.86,3652.86) SWD.4@3526.19,3686.19 ; SWD.4@3526.19,3713.81 ccw(c3492.86,3747.14) 3540,3747.14 ; SWD.4@3526.19,3713.81 ccw(c3492.86,3747.14) 3540,3747.14 ; SWD.4@3526.19,3713.81 ccw(c3492.86,3747.14) 3540,3747.14 ; SWD.4@3526.19,3713.81 ccw(c3492.86,3747.14) 3540,3747.14 ; SWD.4@3526.19,3713.81 ccw(c3492.86,3747.14) 3540,3747.14 ; SWD.4@3526.19,3713.81 ccw(c3492.86,3747.14) 3540,3747.14 ; 3540,3747.14 ccw(c3587.14,3747.14) SWD.4@3553.81,3713.81 ; 3540,3747.14 ccw(c3587.14,3747.14) SWD.4@3553.81,3713.81 ; 3540,3747.14 ccw(c3587.14,3747.14) SWD.4@3553.81,3713.81 ; 3540,3747.14 ccw(c3587.14,3747.14) SWD.4@3553.81,3713.81 ; 3540,3747.14 ccw(c3587.14,3747.14) SWD.4@3553.81,3713.81 ; 3540,3747.14 ccw(c3587.14,3747.14) SWD.4@3553.81,3713.81 ; P5.1@4401.19,2808.81 ccw(c4367.86,2842.14) 4415,2842.14 ; P5.1@4401.19,2808.81 ccw(c4367.86,2842.14) 4415,2842.14 ; P5.1@4401.19,2808.81 ccw(c4367.86,2842.14) 4415,2842.14 ; P5.1@4401.19,2808.81 ccw(c4367.86,2842.14) 4415,2842.14 ; P5.1@4401.19,2808.81 ccw(c4367.86,2842.14) 4415,2842.14 ; P5.1@4401.19,2808.81 ccw(c4367.86,2842.14) 4415,2842.14 ; 4415,2842.14 ccw(c4462.14,2842.14) P5.1@4428.81,2808.81 ; 4415,2842.14 ccw(c4462.14,2842.14) P5.1@4428.81,2808.81 ; 4415,2842.14 ccw(c4462.14,2842.14) P5.1@4428.81,2808.81 ; 4415,2842.14 ccw(c4462.14,2842.14) P5.1@4428.81,2808.81 ; 4415,2842.14 ccw(c4462.14,2842.14) P5.1@4428.81,2808.81 ; 4415,2842.14 ccw(c4462.14,2842.14) P5.1@4428.81,2808.81 ; C14.2@4836.38,3590.04 cw(c4809.76,3563.42) 4847.4,3563.42 ; C14.2@4836.38,3590.04 cw(c4809.76,3563.42) 4847.4,3563.42 ; C14.2@4836.38,3590.04 cw(c4809.76,3563.42) 4847.4,3563.42 ; C14.2@4836.38,3590.04 cw(c4809.76,3563.42) 4847.4,3563.42 ; C14.2@4836.38,3590.04 cw(c4809.76,3563.42) 4847.4,3563.42 ; C14.2@4836.38,3590.04 cw(c4809.76,3563.42) 4847.4,3563.42 ; C14.2@4836.38,3619.96 ccw(c4809.76,3646.58) 4847.4,3646.58 ; C14.2@4836.38,3619.96 ccw(c4809.76,3646.58) 4847.4,3646.58 ; C14.2@4836.38,3619.96 ccw(c4809.76,3646.58) 4847.4,3646.58 ; C14.2@4836.38,3619.96 ccw(c4809.76,3646.58) 4847.4,3646.58 ; C14.2@4836.38,3619.96 ccw(c4809.76,3646.58) 4847.4,3646.58 ; C14.2@4836.38,3619.96 ccw(c4809.76,3646.58) 4847.4,3646.58 ; 4847.4,3563.42 cw(c4885.04,3563.42) C14.2@4858.43,3590.04 ; 4847.4,3563.42 cw(c4885.04,3563.42) C14.2@4858.43,3590.04 ; 4847.4,3563.42 cw(c4885.04,3563.42) C14.2@4858.43,3590.04 ; 4847.4,3563.42 cw(c4885.04,3563.42) C14.2@4858.43,3590.04 ; 4847.4,3563.42 cw(c4885.04,3563.42) C14.2@4858.43,3590.04 ; 4847.4,3563.42 cw(c4885.04,3563.42) C14.2@4858.43,3590.04 ; 4847.4,3646.58 ccw(c4885.04,3646.58) C14.2@4858.43,3619.96 ; 4847.4,3646.58 ccw(c4885.04,3646.58) C14.2@4858.43,3619.96 ; 4847.4,3646.58 ccw(c4885.04,3646.58) C14.2@4858.43,3619.96 ; 4847.4,3646.58 ccw(c4885.04,3646.58) C14.2@4858.43,3619.96 ; 4847.4,3646.58 ccw(c4885.04,3646.58) C14.2@4858.43,3619.96 ; 4847.4,3646.58 ccw(c4885.04,3646.58) C14.2@4858.43,3619.96 ; 4878.85,3486.78 cw(c4832.08,3440) U4.16@4898.23,3440 ; 4878.85,3486.78 cw(c4832.08,3440) U4.16@4898.23,3440 ; 4878.85,3486.78 cw(c4832.08,3440) U4.16@4898.23,3440 ; 4878.85,3486.78 cw(c4832.08,3440) U4.16@4898.23,3440 ; 4878.85,3486.78 cw(c4832.08,3440) U4.16@4898.23,3440 ; 4878.85,3486.78 cw(c4832.08,3440) U4.16@4898.23,3440 ; 4912.99,3452.64 cw(c4900.36,3440) U4.16@4918.23,3440 ; 4912.99,3452.64 cw(c4900.36,3440) U4.16@4918.23,3440 ; 4912.99,3452.64 cw(c4900.36,3440) U4.16@4918.23,3440 ; 4912.99,3452.64 cw(c4900.36,3440) U4.16@4918.23,3440 ; 4912.99,3452.64 cw(c4900.36,3440) U4.16@4918.23,3440 ; 4912.99,3452.64 cw(c4900.36,3440) U4.16@4918.23,3440 ; Camera.2@5226.19,791.19 cw(c5192.86,757.86) 5240,757.86 ; Camera.2@5226.19,791.19 cw(c5192.86,757.86) 5240,757.86 ; Camera.2@5226.19,791.19 cw(c5192.86,757.86) 5240,757.86 ; Camera.2@5226.19,791.19 cw(c5192.86,757.86) 5240,757.86 ; Camera.2@5226.19,791.19 cw(c5192.86,757.86) 5240,757.86 ; Camera.2@5226.19,791.19 cw(c5192.86,757.86) 5240,757.86 ; 5240,757.86 cw(c5287.14,757.86) Camera.2@5253.81,791.19 ; 5240,757.86 